# Altium PCB PCB3.PcbDoc (part 2 of 2)
Units mil, origin at the board's own origin, x right, y up, seen from the top; angles counter-clockwise.
Board outline 6260 x 6725 mil, 2 copper layers (Top Layer, Bottom Layer); 255 components, 118 nets, 1007 pads, 109 vias.
Unrouted connection lines stored in the file: 4.
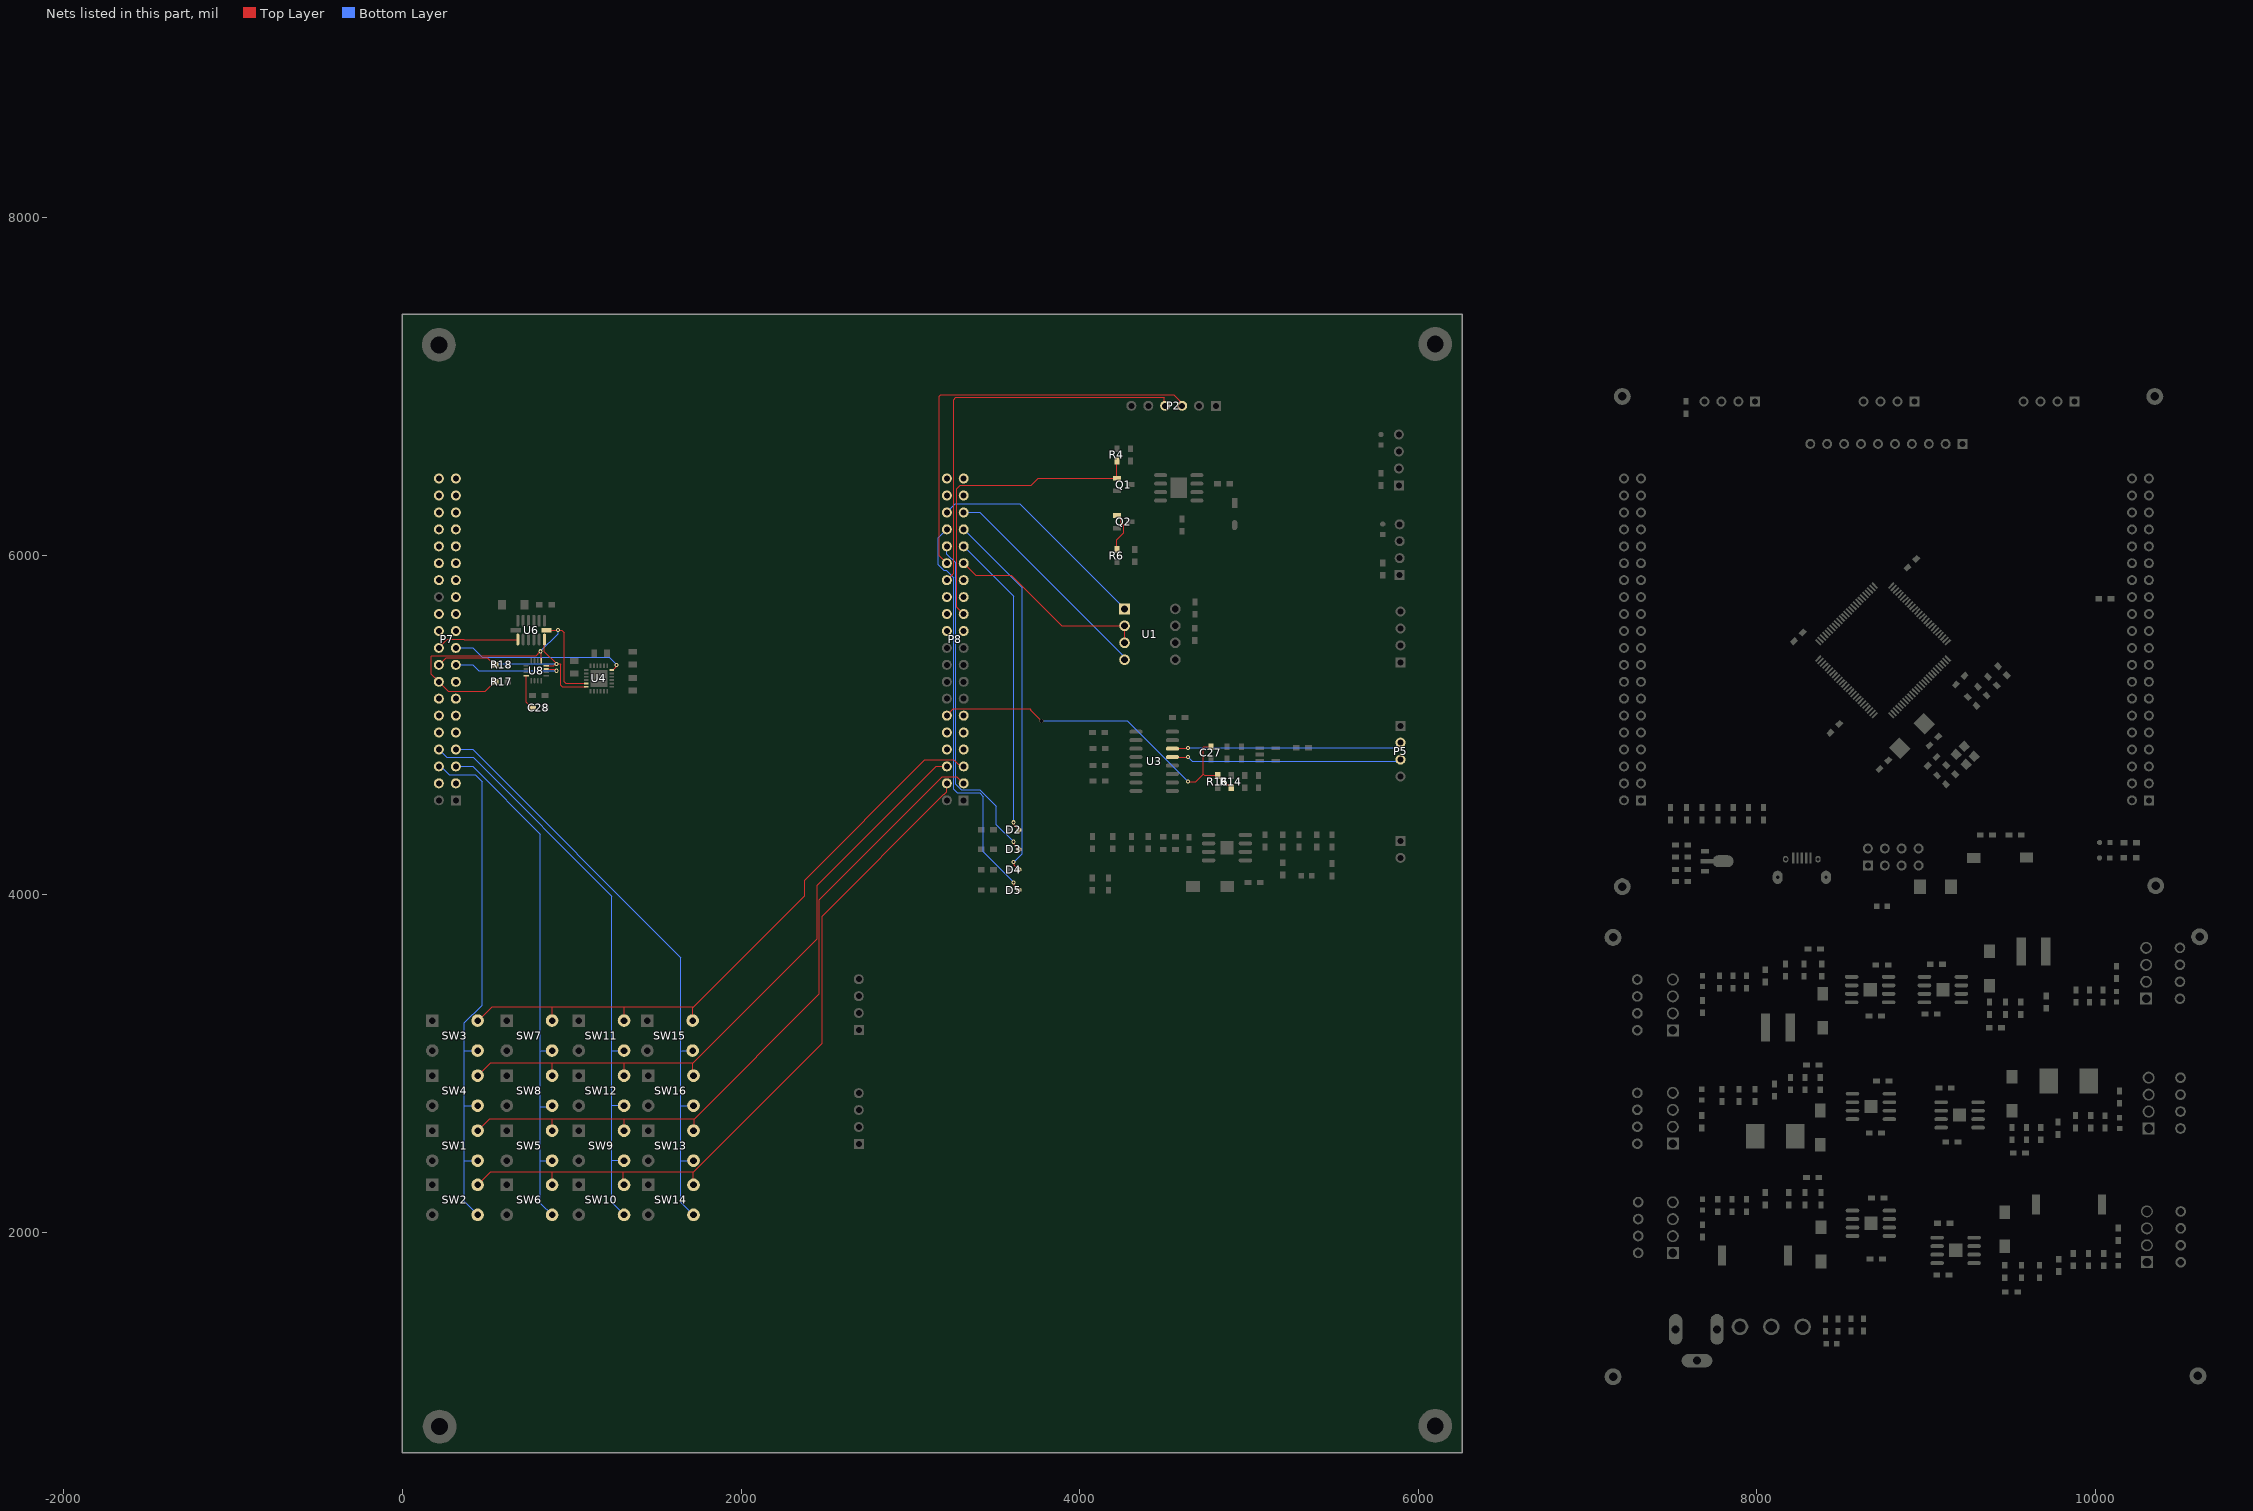
[diagram p2: the nets of this part, all layers, seen from the top]

## Via types
v1: diameter 24, hole 12, Top Layer to Bottom Layer, 71 vias
v2: diameter 24, hole 24, Top Layer to Bottom Layer, 38 vias

## Nets (pads, with @x,y where several pads share a name; then routed paths per layer and width w, separated by ;. In a path a pad name is that pad's centre, name@x,y a point inside that pad or via, vN(x,y) a via of type N, cw(c..) or ccw(c..) an arc to the next point about the centre after c; other vN are vias at no path point) (continued)
PA9/USART1_TX: P7.23
PA10/USART1_RX: P7.24
PA11: P7.21
PA12: P7.22
PA15: P7.28
PB0/TIM3_CH3: P8.23 Q1.1 R4.1 | length 1829.4
  Top Layer w6: P8.23@3315,5655 3275,5695 3275,6395 3295,6415 3713.31,6415 3755.71,6457.4 Q1.1@4220.63,6457.4 4220,6458.03 R4.1@4220,6558.5
PB0/TIM3_CH4: P8.24
PB1/TIM3_CH4: Q2.1 R6.1 | length 240.1
  Top Layer w6: R6.1@4220,6036.5 4220,6094.25 4260,6134.25 4260,6175 4242.24,6192.76 4242.24,6226.62 4231.46,6237.4 Q2.1@4220.63,6237.4
PB2: P8.25
PB3: P7.12
PB4: P7.9
PB5: P7.10
PB6/KEY_Y_0: P7.7 SW13.3 SW14.3 SW15.3 SW16.3 | length 3608.5
  Bottom Layer w6: P7.7@315,4855 415,4855 1645,3625 1645,3071.49 ; SW15.3@1713.86,3076.42 1649.93,3076.42 1645,3071.49 ; SW14.3@1718.86,2106.42 1645,2180.28 1645,2425 ; SW13.3@1718.86,2426.42 1717.44,2425 1645,2425 ; SW16.3@1718.86,2751.42 1717.44,2750 1645,2750 ; 1645,2425 1645,2750 ; 1645,2750 1645,3071.49
PB7/KEY_Y_1: P7.8 SW9.3 SW10.3 SW11.3 SW12.3 | length 3518.8
  Bottom Layer w6: P7.8@215,4855 262.1,4807.9 416.58,4807.9 1235,3989.49 1235,3071.49 ; SW10.3@1308.86,2106.42 1235,2180.28 1235,2430 ; SW9.3@1308.86,2426.42 1305.28,2430 1235,2430 ; SW12.3@1308.86,2751.42 1305.28,2755 1235,2755 ; SW11.3@1308.86,3076.42 1239.93,3076.42 1235,3071.49 ; 1235,2430 1235,2755 ; 1235,2755 1235,3071.49
PB8/KEY_Y_2: P7.5 SW5.3 SW6.3 SW7.3 SW8.3 | length 3154.7
  Bottom Layer w6: P7.5@315,4755 415,4755 815,4355 815,3071.49 ; SW6.3@883.86,2106.42 815,2175.28 815,2425 ; SW5.3@883.86,2426.42 882.44,2425 815,2425 ; SW8.3@883.86,2751.42 877.44,2745 815,2745 ; SW7.3@883.86,3076.42 819.93,3076.42 815,3071.49 ; 815,2425 815,2745 ; 815,2745 815,3071.49
PB9/KEY_Y_3: P7.6 SW1.3 SW2.3 SW3.3 SW4.3 | length 3166.2
  Bottom Layer w6: P7.6@215,4755 225,4755 275,4705 430,4705 470,4665 470,3345.35 365,3240.35 365,3072.9 ; SW2.3@443.86,2106.42 365,2185.28 365,2425 ; SW1.3@443.86,2426.42 442.44,2425 365,2425 ; SW4.3@443.86,2751.42 442.44,2750 365,2750 ; SW3.3@443.86,3076.42 368.51,3076.42 365,3072.9 ; 365,2425 365,2750 ; 365,2750 365,3072.9
PB10/USART3_TX: P8.35 U1.4 | length 1319.2
  Bottom Layer w6: P8.35@3315,6255 3410,6255 4265,5400 U1.4@4265,5385
PB11/USART3_RX: P8.36 U1.1 | length 1327.5
  Bottom Layer w6: P8.36@3215,6255 3265,6305 3645,6305 U1.1@4265,5685
PB12: P8.37
PB13: P8.38
PB14: P8.39
PB15: P8.40
PC0: P8.9
PC1: P8.10
PC2: P8.11
PC3/ADC123: C27.2 P8.12 R14.1 R16.2 | length 2138.3
  Top Layer w6: P8.12@3215,5055 3254.36,5094.36 3707.13,5094.36 3710,5091.49 3710,5087.43 v2(3773.47,5023.95) ; v1(4640,4665) 4685,4665 4730,4710 ; C27.2@4775,4871.5 4733.51,4871.5 4730,4867.99 4730,4710 ; R14.1@4895,4628.5 4895,4632.75 4882.25,4645.5 4871,4645.5 4832,4684.5 4827.75,4684.5 4815,4697.25 R16.2@4815,4701.5 4738.5,4701.5 4730,4710
  Bottom Layer w6: v2(3773.47,5023.95) 4281.05,5023.95 v1(4640,4665)
PC4: P8.21
PC5: P8.22
PC6: P7.31
PC7: P7.32
PC8: P7.29
PC9: P7.30
PC10: P7.27
PC11/G_INT: P7.19 U4.12 | length 1039
  Top Layer w6: U4.12@1235.1,5324.21 1242.68,5324.21 1261.56,5343.09 1261.56,5351.56 v1(1265,5355)
  Bottom Layer w6: P7.19@315,5455 415,5455 470,5400 1220,5400 v1(1265,5355)
PC12: P7.25
PC13: P8.8
PD0/A_INT: P7.20 U6.8 | length 488.2
  Top Layer w6: P7.20@215,5455 265,5505 365,5505 364.51,5504.51 U6.8@681.26,5504.51
PD1/M_INT: P7.17 U8.15 | length 674.5
  Top Layer w6: U8.15@849.05,5329.85 895.28,5329.85 905.13,5320 v1(910,5320)
  Bottom Layer w6: P7.17@315,5355 415,5355 450,5320 v1(910,5320)
PD2/MPU_SDA: P7.18 R18.1 U4.24 U6.13 U8.16 | length 1273
  Top Layer w6: P7.18@215,5355 258,5398 501.25,5398 544.25,5355 R18.1@548.5,5355 ; U6.13@838.74,5504.51 838.74,5431.26 v1(910,5360) ; U8.16@849.05,5349.53 894.66,5349.53 905.13,5360 v1(910,5360) ; U4.24@1084.9,5225.79 942.73,5225.79 935,5233.51 935,5356.49 931.49,5360 v1(910,5360)
  Bottom Layer w6: v1(550,5355) 555,5360 v1(910,5360)
PD3: P7.15
PD4/MPU_SCL: P7.16 R17.1 U4.23 U6.14 U8.1 | length 1965
  Top Layer w6: R17.1@548.5,5255 544.25,5255 489.25,5200 270,5200 170,5300 170,5406.49 173.51,5410 790,5410 v1(815,5435) ; U8.1@819.53,5379.06 v1@819.53,5435 ; U6.14@850.45,5560 940,5560 955,5545 955,5255 964.53,5245.47 U4.23@1084.9,5245.47
  Bottom Layer w6: v1(815,5435) 919,5539 919,5559 v1(919.5,5559.5) v1@920,5560
PD5: P7.13
PD6: P7.14
PD7: P7.11
PD8/TFT_SCL: P7.39
PD9/TFT_SDA: P7.40
PD10/TFT_RES: P7.37
PD11/TFT_DC: P7.38
PD12/TFT_CS: P7.35
PD13/TFT_BL: P7.36
PD14/TFT_FS0: P7.33
PD15/TFT_CS2: P7.34
PE0: P7.3
PE1: P7.4
PE2/KEY_X_0: P8.3 SW1.4 SW5.4 SW9.4 SW13.4 | length 4298
  Top Layer w6: SW1.4@443.86,2603.58 515.28,2675 885,2675 ; SW5.4@883.86,2603.58 885,2604.72 885,2675 ; SW9.4@1308.86,2603.58 1310,2604.72 1310,2675 885,2675 ; 1310,2674.05 1718.46,2674.05 1718.62,2673.97 1721.9,2673.97 1721.9,2670.77 ; SW13.4@1718.86,2603.58 1721.9,2606.63 1721.9,2670.77 ; P8.3@3315,4655 3275,4695 3188.2,4695 2462.01,3968.81 2462.01,3410.88 1721.9,2670.77
PE3/KEY_X_1: P8.4 SW2.4 SW6.4 SW10.4 SW14.4 | length 4456.3
  Top Layer w6: SW2.4@443.86,2283.58 520.28,2360 885,2360 ; SW6.4@883.86,2283.58 885,2284.72 885,2360 ; SW10.4@1308.86,2283.58 1305,2287.44 1305,2360 ; SW14.4@1718.86,2283.58 1718.06,2284.38 1718.06,2356.8 ; P8.4@3215,4655 3215,4606.28 3198.56,4589.84 ccw(c3215,4555) 3180.16,4571.44 2480,3871.28 2480,3118.73 1718.06,2356.8 ; 885,2360 1305,2360 ; 1305,2360 1718.06,2360 1718.06,2356.8
PE4/KEY_X_2: P8.5 SW3.4 SW7.4 SW11.4 SW15.4 | length 3824.8
  Top Layer w6: SW3.4@443.86,3253.58 448.58,3253.58 530,3335 885,3335 ; SW7.4@883.86,3253.58 885,3254.72 885,3335 ; SW11.4@1308.86,3253.58 1310,3254.72 1310,3335 ; SW15.4@1713.86,3253.58 1713.86,3330.66 ; 1713.86,3333.86 1713.86,3330.66 ; 1713.86,3335 1310,3335 ; P8.5@3315,4755 3304.85,4765.15 3284.85,4765.15 3256.47,4793.53 3084.59,4793.53 2375,4083.94 2375,3991.8 1713.86,3330.66 ; 885,3335 1310,3335
PE5/KEY_X_3: P8.6 SW4.4 SW8.4 SW12.4 SW16.4 | length 3946.4
  Top Layer w6: SW4.4@443.86,2928.58 520.28,3005 885,3005 ; SW8.4@883.86,2928.58 885,2929.72 885,3005 ; SW12.4@1308.86,2928.58 1310,2929.72 1310,3005 ; SW16.4@1718.86,2928.58 1714.61,2932.83 1714.61,3001.41 ; P8.6@3215,4755 3151.97,4755 2450.01,4053.04 2450.01,3736.81 1714.61,3001.41 ; 885,3005 1310,3005 ; 1310,3005 1714.61,3005 1714.61,3004.61 1714.61,3001.41
PE6: P8.7
PE7: P8.26
PE8: P8.27
PE9/TIM1_CH1: P2.4 P8.28 | length 2383.7
  Top Layer w6: P8.28@3215,5855 3255,5895 3255,6921.49 3268.51,6935 4496.49,6935 4500,6931.49 4500,6890 P2.4@4505,6885
PE10: P8.29 U1.2 U1.3 | length 1203.3
  Top Layer w6: P8.29@3315,5955 3385,5885 3595,5885 3895,5585 U1.2@4265,5585 U1.3@4265,5485
PE11/TIM1_CH2: P2.3 P8.30 | length 2478.5
  Top Layer w6: P8.30@3215,5955 3170,6000 3170,6940 3180,6950 4555,6950 4591.26,6913.74 4591.26,6913.1 4605,6899.36 P2.3@4605,6885
PE12/LED0: D2.2 P8.31 | length 1809.9
  Top Layer w6: v1(3610,4425) 3613.44,4421.56 3613.44,4407.14 D2.2@3640.59,4380
  Bottom Layer w6: P8.31@3315,6055 3610,5760 v1(3610,4425)
PE13/LED1: D3.2 P8.32 | length 2031.6
  Top Layer w6: v1(3610,4310) 3613.44,4306.56 3613.44,4292.14 D3.2@3640.59,4265
  Bottom Layer w6: P8.32@3215,6055 3215,6009.49 3267,5957.49 3267,4648.51 3299.04,4616.47 3410.5,4616.47 3508.53,4518.44 3508.53,4411.47 v1(3610,4310)
PE14/LED2: D4.2 P8.33 | length 2186.3
  Top Layer w6: v1(3610,4190) 3613.44,4186.56 3613.44,4172.14 D4.2@3640.59,4145
  Bottom Layer w6: P8.33@3315,6155 3660,5810 3660,4240 v1(3610,4190)
PE15/LED3: D5.2 P8.34 | length 2433
  Top Layer w6: v1(3610,4070) 3613.44,4066.56 3613.44,4051.56 D5.2@3640,4025
  Bottom Layer w6: P8.34@3215,6155 3165,6105 3165,5945 3197.76,5912.24 3212.24,5912.24 3255,5869.49 3255,4620 3276.76,4598.24 3408.24,4598.24 3430,4576.49 3430,4250 v1(3610,4070)
RX: P5.3 U3.13 | length 1361.8
  Top Layer w6: U3.13@4547.7,4810 v1(4640,4810)
  Bottom Layer w6: v1(4640,4810) 4665,4785 5885,4785 P5.3@5895,4795
SETP: C28.2 U8.8 | length 209
  Top Layer w6: U8.8@730.95,5290.48 730.95,5132.56 763.5,5100 C28.2@768.5,5100
TX: P5.2 U3.14 | length 1361.8
  Top Layer w6: U3.14@4547.7,4860 4550.2,4862.5 4637.5,4862.5 v1(4640,4865)
  Bottom Layer w6: v1(4640,4865) 5863.63,4865 5893.63,4895 P5.2@5895,4895
pads on no net: C1_1.1 C1_1.2 C1_2.1 C1_2.2 C2_1.1 C2_1.2 C2_2.1 C2_2.2 C3_1.1 C3_1.2 C3_2.1 C3_2.2 C4_1.1 C4_1.2 C4_2.1 C4_2.2 C5_1.1 C5_1.2 C5_2.1 C5_2.2 C6_1.1 C6_1.2 C6_2.1 C6_2.2 C7_1.1 C7_1.2 C7_2.1 C7_2.2 C8_1.1 C8_1.2 C8_2.1 C8_2.2 C9_1.1 C9_1.2 C9_2.1 C9_2.2 C10_1.1 C10_1.2 C10_2.1 C10_2.2 C11_1.1 C11_1.2 C11_2.1 C11_2.2 C12_1.1 C12_1.2 C12_2.1 C12_2.2 C13_1.1 C13_1.2 C13_2.1 C13_2.2 C14_1.1 C14_1.2 C14_2.1 C14_2.2 C15_1.1 C15_1.2 C15_2.1 C15_2.2 C16_1.1 C16_1.2 C16_2.1 C16_2.2 C17_1.1 C17_1.2 C17_2.1 C17_2.2 C18_1.1 C18_1.2 C18_2.1 C18_2.2 C19_1.1 C19_1.2 C19_2.1 C19_2.2 C20_1.1 C20_1.2 C20_2.1 C20_2.2 C21_1.1 C21_1.2 C21_2.1 C21_2.2 C22_1.1 C22_1.2 C22_2.1 C22_2.2 C23_1.1 C23_1.2 C24_1.1 C24_1.2 C25_1.1 C25_1.2 C26_1.1 C26_1.2 C27_1.1 C27_1.2 C28_1.1 C28_1.2 C29_1.1 C29_1.2 C30.1 C30.2 C31.1 C31.2 C32.1 C32.2 C33.1 C33.2 C34.1 C34.2 C35.1 C35.2 C36.1 C36.2 C37.1 C37.2 C38.1 C38.2 C39.1 C39.2 C40.1 C40.2 C41.1 C41.2 C42.1 C42.2 C43.1 C43.2 C44.1 C44.2 C45.1 C45.2 CN1.1 CN1.2 CN1.3 CN1.4 CN2.1 CN2.2 CN2.3 CN2.4 CN3.1 CN3.2 CN3.3 CN3.4 CN4.1 CN4.2 CN4.3 CN4.4 CN5.1 CN5.2 CN5.3 CN5.4 CN6.1 CN6.2 CN6.3 CN6.4 D1_1.1 D1_1.2 D2_1.1 D2_1.2 D3_1.1 D3_1.2 D4_1.1 D4_1.2 D5_1.1 D5_1.2 D6_1.1 D6_1.2 DC1.1 DC1.2 DC1.3 H1.1 H1.2 H1.3 H1.4 H2.1 H2.2 H2.3 H2.4 H3.1 H3.2 H3.3 H3.4 H4.1 H4.2 H4.3 H4.4 H5.1 H5.2 H5.3 H5.4 H6.1 H6.2 H6.3 H6.4 L1_1.1 L1_1.2 L2.1 L2.2 L3.1 L3.2 L4.1 L4.2 L5.1 L5.2 L6.1 L6.2 LED1_1.1 LED1_1.2 LED1_2.1 LED1_2.2 LED2_1.1 LED2_1.2 LED2_2.1 LED2_2.2 LED3.1 LED3.2 LED4.1 LED4.2 LED5.1 LED5.2 LED6.1 LED6.2 LED7.1 LED7.2 P1_1.1 P1_1.2 P1_1.3 P1_1.4 P1_1.5 P1_1.6 P1_1.7 P1_1.8 P2_1.1 P2_1.2 P2_1.3 P2_1.4 P2_1.5 P2_1.6 P2_1.7 P2_1.8 P2_1.9 P2_1.10 P2_1.11 P2_1.12 P2_1.13 P2_1.14 P2_1.15 P2_1.16 P2_1.17 P2_1.18 P2_1.19 P2_1.20 P2_1.21 P2_1.22 P2_1.23 P2_1.24 P2_1.25 P2_1.26 P2_1.27 P2_1.28 P2_1.29 P2_1.30 P2_1.31 P2_1.32 P2_1.33 P2_1.34 P2_1.35 P2_1.36 P2_1.37 P2_1.38 P2_1.39 P2_1.40 P3_1.1 P3_1.2 P3_1.3 P3_1.4 P3_1.5 P3_1.6 P3_1.7 P3_1.8 P3_1.9 P3_1.10 P3_1.11 P3_1.12 P3_1.13 P3_1.14 P3_1.15 P3_1.16 P3_1.17 P3_1.18 P3_1.19 P3_1.20 P3_1.21 P3_1.22 P3_1.23 P3_1.24 P3_1.25 P3_1.26 P3_1.27 P3_1.28 P3_1.29 P3_1.30 P3_1.31 P3_1.32 P3_1.33 P3_1.34 P3_1.35 P3_1.36 P3_1.37 P3_1.38 P3_1.39 P3_1.40 P4_1.1 P4_1.2 P4_1.3 P4_1.4 P4_1.5 P4_1.6 P4_1.7 P4_1.8 P4_1.9 P4_1.10 P5_1.1 P5_1.2 P5_1.3 P5_1.4 P6_1.1 P6_1.2 P6_1.3 P6_1.4 P7_1.1 P7_1.2 P7_1.3 P7_1.4 R1_1.1 R1_1.2 R1_2.1 R1_2.2 R2_1.1 R2_1.2 R2_2.1 R2_2.2 R3_1.1 R3_1.2 R3_2.1 R3_2.2 R4_1.1 R4_1.2 R4_2.1 R4_2.2 R5_1.1 R5_1.2 R5_2.1 R5_2.2 R6_1.1 R6_1.2 R6_2.1 R6_2.2 R7_1.1 R7_1.2 R7_2.1 R7_2.2 R8_1.1 R8_1.2 R8_2.1 R8_2.2 R9_1.1 R9_1.2 R10_1.1 R10_1.2 R11_1.1 R11_1.2 R12_1.1 R12_1.2 R13_1.1 R13_1.2 R14_1.1 R14_1.2 R15_1.1 R15_1.2 R16_1.1 R16_1.2 R17_1.1 R17_1.2 R18_1.1 R18_1.2 R19_1.1 R19_1.2 R20_1.1 R20_1.2 R21_1.1 R21_1.2 R22_1.1 R22_1.2 R23_1.1 R23_1.2 R24_1.1 R24_1.2 R25.1 R25.2 SW1.1 SW1.2 SW1_1.1 SW1_1.2 SW1_1.3 SW1_2.1 SW1_2.2 SW2.1 SW2.2 SW3.1 SW3.2 SW4.1 SW4.2 SW5.1 SW5.2 SW6.1 SW6.2 SW7.1 SW7.2 SW8.1 SW8.2 SW9.1 SW9.2 SW10.1 SW10.2 SW11.1 SW11.2 SW12.1 SW12.2 SW13.1 SW13.2 SW14.1 SW14.2 SW15.1 SW15.2 SW16.1 SW16.2 U1_1.1 U1_1.2 U1_1.3 U1_1.4 U1_1.5 U1_1.6 U1_1.7 U1_1.8 U1_1.9 U1_2.1 U1_2.2 U1_2.3 U1_2.4 U1_2.5 U1_2.6 U1_2.7 U1_2.8 U1_2.9 U1_2.10 U1_2.11 U1_2.12 U1_2.13 U1_2.14 U1_2.15 U1_2.16 U1_2.17 U1_2.18 U1_2.19 U1_2.20 U1_2.21 U1_2.22 U1_2.23 U1_2.24 U1_2.25 U1_2.26 U1_2.27 U1_2.28 U1_2.29 U1_2.30 U1_2.31 U1_2.32 U1_2.33 U1_2.34 U1_2.35 U1_2.36 U1_2.37 U1_2.38 U1_2.39 U1_2.40 U1_2.41 U1_2.42 U1_2.43 U1_2.44 U1_2.45 U1_2.46 U1_2.47 U1_2.48 U1_2.49 U1_2.50 U1_2.51 U1_2.52 U1_2.53 U1_2.54 U1_2.55 U1_2.56 U1_2.57 U1_2.58 U1_2.59 U1_2.60 U1_2.61 U1_2.62 U1_2.63 U1_2.64 U1_2.65 U1_2.66 U1_2.67 U1_2.68 U1_2.69 U1_2.70 U1_2.71 U1_2.72 U1_2.73 U1_2.74 U1_2.75 U1_2.76 U1_2.77 U1_2.78 U1_2.79 U1_2.80 U1_2.81 U1_2.82 U1_2.83 U1_2.84 U1_2.85 U1_2.86 U1_2.87 U1_2.88 U1_2.89 U1_2.90 U1_2.91 U1_2.92 U1_2.93 U1_2.94 U1_2.95 U1_2.96 U1_2.97 U1_2.98 U1_2.99 U1_2.100 U2.4 U2_1.1 U2_1.2 U2_1.3 U2_1.4 U2_1.5 U2_1.6 U2_1.7 U2_1.8 U2_1.9 U3.7 U3.8 U3.9 U3.10 U3_1.1 U3_1.2 U3_1.3 U3_1.4 U3_1.5 U3_1.6 U3_1.7 U3_1.8 U3_1.9 U4.2 U4.3 U4.4 U4.5 U4.6 U4.7 U4.9 U4.14 U4.15 U4.16 U4.17 U4.19 U4.21 U4.22 U4.25 U4_1.1 U4_1.2 U4_1.3 U4_1.4 U4_1.5 U4_1.6 U4_1.7 U4_1.8 U4_1.9 U5_1.1 U5_1.2 U5_1.3 U5_1.4 U5_1.5 U5_1.6 U5_1.7 U5_1.8 U5_1.9 U6.3 U6.9 U6.10 U6.11 U6_1.1 U6_1.2 U6_1.3 U6_1.4 U6_1.5 U6_1.6 U6_1.7 U6_1.8 U6_1.9 U8.3 U8.5 U8.6 U8.7 U8.14 USB1.1 USB1.2 USB1.3 USB1.4 USB1.5 V1.1 V1.2 V1.3 X1.1 X1.2 X1.3 X1.4 X2.1 X2.2
copper on no net: | length 201115.8
  Top Layer w6: 7215,4555 7253.53,4593.53 7606.47,4593.53 v2(7630,4570) ; 7215,4655 7253.53,4616.47 8199.86,4616.47 8668.44,5085.06 ; 7215,4755 7253.53,4716.47 8248.44,4716.47 8532.95,5000.98 8532.95,5005.24 8640.6,5112.89 ; 7215,4855 7260,4810 8254.2,4810 8598.85,5154.65 ; 7215,4955 7270,4900 8288.52,4900 8571.01,5182.49 ; 7215,5055 7258.68,5011.32 7260,5010 8342.84,5010 8543.17,5210.33 ; 7215,5255 7217.51,5255 7220,5255 7265,5210 7271.34,5203.66 7275,5200 8421.48,5200 8487.49,5266.01 ; 7215,5355 7258.63,5311.37 7313.12,5311.37 7400.49,5224 8385.7,5224 8455.54,5293.85 8459.65,5293.85 ; 7215,5455 7257.58,5412.42 7340.61,5412.42 7503.03,5250 8360.13,5250 8431.81,5321.69 ; 7215,5555 7253.53,5516.47 7756.47,5516.47 7855,5615 8343.18,5615 8413.78,5544.4 8417.89,5544.4 ; 7215,5655 7270,5600 7801.72,5600 7840.72,5639 8378.97,5639 8445.73,5572.23 8480,5537.97 v2(8480,5515) ; 7215,5755 7265,5705 8368.64,5705 8473.57,5600.07 ; 7215,5955 7276.47,5893.53 8207.95,5893.53 8487.49,5613.99 ; 7215,6055 7276.47,5993.53 8163.63,5993.53 8515.33,5641.83 ; 7231.06,5138.94 7215,5155 7265,5105 8382.16,5105 8515.33,5238.17 ; 7293.51,2526.5 7293.51,2626.5 7503.51,2626.5 ; 7293.51,3296.5 7295,3295.01 7295,3197.99 7293.51,3196.5 7298.51,3196.5 7503.51,3196.5 7503.51,3296.5 7675.01,3296.5 7678.51,3300 7680.22,3298.29 7774.99,3298.29 7778.51,3301.8 7778.51,3445 7858.51,3445 7938.51,3445 8044.99,3445 8048.51,3448.51 8048.51,3481.5 8050.67,3479.34 8050.67,3211.49 ; 7298.51,1981.5 7298.51,1881.5 7502.72,1881.5 7503.51,1880.71 ; 7315,4655 8210.55,4655 8654.52,5098.97 ; 7315,4755 8270,4755 8520.09,5005.09 8520.09,5012.86 8523.51,5016.28 8523.51,5023.63 8626.69,5126.81 ; 7315,4855 8271.36,4855 8584.93,5168.57 ; 7315,4955 8315.68,4955 8557.09,5196.41 ; 7315,5055 8359.01,5055 8361.76,5056.76 8529.25,5224.25 ; 7315,5155 8404.32,5155 8501.41,5252.09 ; 7315,5255 7358,5212 8405.64,5212 8473.57,5279.93 ; 7315,5355 7434,5236 8369.86,5236 8441.62,5307.77 8445.73,5307.77 ; 7315,5455 7455,5315 8369.45,5315 8403.97,5349.52 ; 7315,5555 7775,5555 7847,5627 8363.13,5627 8431.81,5558.31 ; 7315,5655 8390.8,5655 8459.65,5586.15 8502.36,5543.44 8511.56,5543.44 v2(8515,5540) ; 7315,5955 8174.32,5955 8501.41,5627.91 ; 7315,6055 8130,6055 8529.25,5655.75 ; 7315,6155 8085.68,6155 8557.09,5683.59 8596.56,5644.12 8596.56,5628.44 v2(8600,5625) ; 7315,6255 8041.36,6255 8584.93,5711.43 8584.93,5708.25 8635,5658.18 v2(8635,5655) ; 7315,6355 7997.03,6355 8612.77,5739.27 8612.77,5738.25 8665,5686.02 v2(8665,5685) ; 7315,6455 7952.71,6455 8640.6,5767.11 8644.25,5767.11 8691.36,5720 v2(8695,5720) ; 7503.51,1980.71 7503.51,1880.71 ; 7532.8,2555.79 7503.51,2526.5 7503.51,2626.5 ; 7673.51,2693 7673.65,2693.14 7673.65,2785.02 ; 7678.51,2048 7678.51,2134.89 7678.65,2135.02 ; 7678.51,3373 7678.51,3454.89 7678.65,3455.02 ; 7764.08,1430 7779.08,1445 7899.96,1445 ; 7793.63,1866.5 7703.51,1866.5 7678.51,1891.5 7678.51,1975 ; 7990.4,2571.5 7722.01,2571.5 7690.51,2603 7686.26,2603 7673.51,2615.75 7673.51,2620 ; 8040,4438.5 8077.57,4438.5 8492.03,4852.97 ; 8048.51,2165 8050.4,2163.1 8050.4,2124.65 8050.05,2125 7938.51,2125 7853.51,2125 7768.51,2125 7730.01,2125 7718.51,2113.5 7718.51,1978.51 7714.99,1975 7678.51,1975 ; 8048.51,2238 8188.51,2238 8188.51,2352.99 8198.02,2362.5 8494.48,2362.5 8504.49,2352.49 8504.49,2135.51 8508.51,2131.5 8564.49,2131.5 ; 8048.51,3554.5 8048.51,3587.99 8052.02,3591.5 8165.01,3591.5 8168.51,3588 8168.51,3701.5 8183.51,3716.5 8493.51,3716.5 8503.51,3706.5 8503.51,3515.01 8507.02,3511.5 8559.49,3511.5 ; 8103.51,2806.5 8103.51,2802.25 8076.26,2775 7988.51,2775 7893.51,2775 7793.51,2775 7793.51,2744.25 7673.51,2624.25 7673.51,2620 ; 8103.51,2879.5 8103.51,2914.49 8107.02,2918 8198.51,2918 8198.51,3036.5 8203.51,3041.5 8424.99,3041.5 8428.51,3037.99 8428.51,2846.5 8453.51,2821.5 8564.49,2821.5 ; 8183.39,1866.5 8183.39,1851.12 8204.01,1830.49 8378.51,1830.49 8559.99,1830.49 8563.51,1834.01 8563.51,1845 ; 8196.34,3211.49 8387.51,3211.49 8388.51,3210.49 8554.99,3210.49 8558.51,3214.01 8558.51,3285.01 ; 8219.19,5494.19 8236.16,5494.19 8254.03,5512.06 8300.46,5512.06 8306.99,5518.6 8356.07,5518.6 8372.03,5502.64 8376.13,5502.64 8743.34,5135.43 8746.66,5135.43 ; 8226.62,2571.5 8277.62,2520.49 8373.51,2520.49 8489.47,2520.49 8567.98,2599 ; v2(8260,5375) 8262.5,5375 8276.1,5361.4 8356.07,5361.4 8372.03,5377.36 8376.13,5377.36 ; 8270.81,5545.81 8274.34,5549.34 8357.27,5549.34 8390.06,5516.56 ; 8278.51,3588 8278.51,3653 8285.01,3659.5 8285.01,3664.5 8297.01,3676.5 8302.01,3676.5 8303.51,3678 8303.51,3697.99 8307.02,3701.5 8483.51,3701.5 8491.51,3693.5 8491.51,3467.01 8497.02,3461.5 8559.49,3461.5 ; 8283.51,2238 8283.51,2318 8292.01,2326.5 8293.51,2328 8293.51,2342.99 8301.02,2350.5 8488.98,2350.5 8492.49,2346.99 8492.49,2086.03 8497.02,2081.5 8564.49,2081.5 ; 8285.01,2918 8285.01,2983 8293.51,2991.5 8293.51,3022.99 8297.02,3026.5 8408.51,3026.5 8416.51,3018.5 8416.51,2798.5 8443.51,2771.5 8564.49,2771.5 ; v2(8290,5340) 8362.5,5340 8385.95,5363.44 8390.06,5363.44 ; v2(8290,5410) 8314.33,5410 8345.58,5378.75 8349.69,5378.75 8362.22,5391.28 ; 8315,6660 7331.57,6660 7152.47,6480.9 7152.47,6217.53 7215,6155 7276.47,6093.53 8119.31,6093.53 8543.17,5669.67 ; v2(8335,5585) 8338.44,5581.56 8352.89,5581.56 8403.97,5530.48 ; v2(8355,5290) 8358.44,5293.44 8375.73,5293.44 8417.89,5335.6 ; 8362.22,5488.72 8406.56,5444.38 8406.56,5433.44 v2(8410,5430) ; 8365.01,2326.5 8366.51,2326.5 8378.51,2314.5 8378.51,2238 ; 8366.51,2991.5 8366.51,2925 8373.51,2918 ; 8375.01,3676.5 8383.51,3668 8383.51,3588 ; v2(8375,4900) 8429.19,4954.19 8434.19,4954.19 ; 8405,1418.5 8405,1348.38 8406.76,1346.62 ; 8515,6660 8465,6610 7298.54,6610 7164.47,6475.93 7164.47,6351.04 7215,6300.51 7215,6255 7276.47,6193.53 8074.99,6193.53 8571.01,5697.51 ; 8559.49,3361.5 8558.51,3360.52 8558.51,3285.01 ; 8564.49,1981.5 8563.51,1980.52 8563.51,1845 ; 8564.49,2671.5 8567.98,2668.01 8567.98,2599 ; 8598.85,5725.35 8030.67,6293.53 7276.47,6293.53 7215,6355 7176.47,6393.53 7176.47,6470.96 7265.92,6560.4 8615.4,6560.4 8715,6660 ; 8626.69,5753.19 7974.35,6405.53 7264.47,6405.53 7215,6455 7215.01,6490.01 7273.4,6548.4 8803.4,6548.4 8915,6660 ; 8654.52,5781.03 8585,5850.55 8585,6261.97 8778.03,6455 10215,6455 ; 8662.01,3281.5 8562.02,3281.5 8558.51,3285.01 ; 8663.5,2590 8576.98,2590 8567.98,2599 ; 8668.44,5794.95 8605,5858.39 8605,6230 8780,6405 10196.33,6405 10265,6405 10315,6455 ; 8668.5,1845 8563.51,1845 ; 8682.36,5071.13 8746.66,5135.43 ; 8682.36,5808.87 8625,5866.23 8625,6205 8775,6355 10215,6355 ; 8696.28,5822.78 8640,5879.07 8640,5990 8943.53,6293.53 10253.53,6293.53 10315,6355 ; 8735.01,3281.5 8740.01,3281.5 8752.01,3293.5 8752.01,3298.5 8777.52,3324.02 8777.52,3361.5 ; 8736.5,2590 8741.5,2590 8772.52,2621.02 8772.52,2671.5 ; 8742.52,1846.02 8741.5,1845 8746.5,1845 8758.5,1857 8758.5,1862 8782.52,1886.02 8782.52,1981.5 ; 8750.01,2206.5 8778.51,2206.5 8782.52,2202.48 8782.52,2131.5 ; v2(8760,4920) 8760,4994.33 8806.25,5040.58 8806.25,5044.69 8793.72,5057.22 ; 8775.01,3581.5 8777.52,3578.98 8777.52,3511.5 ; 8775.81,4790.81 8775.81,4795.81 8842.62,4862.62 8839.84,4865.4 8839.84,4939.84 8920,5020 8920,5125 8891.15,5153.85 8891.15,5154.65 ; 8780.01,2896.5 8782.52,2893.98 8782.52,2821.5 ; v2(8780,5135) 8776.56,5131.56 8770.62,5131.56 8696.28,5057.22 8492.03,4852.97 ; v2(8790,4945) 8790,5005 8829.4,5044.4 8829.4,5049.37 8807.64,5071.13 ; 8793.72,5822.78 8793.72,5820.84 8774.27,5801.39 8774.27,5760.43 8760,5746.15 v2(8760,5745) 8763.44,5741.56 8773.44,5741.56 v2(9045,5470) 9048.44,5473.44 9056.83,5473.44 9099.94,5516.56 ; 8807.64,5808.87 8848.67,5849.9 8848.67,5888.67 8889.19,5929.19 ; v2(8820,4975) 8820,5009.79 8841.4,5031.19 8841.4,5061.1 8821.56,5080.95 8821.56,5085.06 ; 8821.56,5794.94 9281.61,6255 10215,6255 ; 8835.48,5098.97 8835.48,5094.86 8853.4,5076.94 8853.4,5003.4 v2(8850,5000) ; 8835.48,5781.03 9247.98,6193.53 10253.53,6193.53 10315,6255 ; 8849.4,5112.89 8849.4,5111.08 8874,5086.48 8874,5031 v2(8875,5030) ; 8849.4,5767.11 9237.29,6155 10215,6155 ; 8863.31,5753.19 9203.65,6093.53 10253.53,6093.53 10315,6155 ; 8877.23,5140.73 8899,5118.97 v2(8899,5055) ; 8877.23,5739.27 9192.97,6055 10215,6055 ; 8891.15,5725.35 9159.33,5993.53 10253.53,5993.53 10315,6055 ; 8905.07,5711.43 9148.64,5955 10215,5955 ; 8918.99,5697.51 9126.48,5905 10265,5905 10315,5955 ; 8932.91,5200.52 8932.91,5196.41 8898.44,5230.88 8898.44,5241.56 v2(8895,5245) v2(8985,5335) 9017.03,5335 9285.03,5067 9342,5067 9545.01,5270.01 9545.01,5274.99 9477.2,5342.8 9427.2,5342.8 9424.19,5345.81 ; 8932.91,5683.59 9084.32,5835 10185.48,5835 10205.48,5855 10215,5855 ; 8946.83,5210.33 9223.04,4934.12 9223.04,4874.28 ; 8946.83,5669.67 9092.16,5815 10275,5815 10315,5855 ; 8960.75,5224.25 9271.5,4913.5 9271.5,4854.99 9282.89,4843.6 9282.89,4814.43 9284.28,4813.04 9284.28,4766.91 9240.69,4723.31 9208.97,4723.31 9191.84,4706.18 9173.82,4706.18 9170.81,4709.19 9115.81,4654.19 9115.81,4649.19 ; 8960.75,5655.75 9095,5790 10180,5790 10215,5755 ; v2(8970,5145) 8966.56,5148.44 8953.04,5148.44 8918.99,5182.49 8917.51,5182.49 8855.61,5244.39 ; 8974.67,5238.17 9395,4817.84 9395,4353.5 9391.5,4350 ; 8974.67,5641.83 9075.84,5743 9517,5743 9560,5700 10090,5700 ; 8988.59,5252.09 9324.21,4916.47 10276.47,4916.47 10315,4955 ; 8988.59,5627.91 9091.68,5731 9509,5731 9585,5655 10215,5655 ; 8989.49,3361.5 8989.49,3294.02 8992.01,3291.5 ; 8989.49,3511.5 8989.49,3552.48 9023.51,3586.5 ; 9002.51,5266.01 9313.52,4955 10215,4955 ; 9002.51,5613.99 9107.52,5719 9501,5719 9603.53,5616.47 10276.47,5616.47 10315,5655 ; 9016.43,5279.93 9296.36,5000 10260,5000 10315,5055 ; 9016.43,5600.07 9116.36,5700 9500,5700 9645,5555 10215,5555 ; 9030.35,5293.85 9269.2,5055 10215,5055 ; 9030.35,5586.15 9132.2,5688 9495.03,5688 9688.03,5495 10255,5495 10315,5555 ; 9044.27,5572.23 9148.03,5676 9489,5676 9710,5455 10215,5455 ; 9058.19,5558.31 9163.87,5664 9481,5664 9739.47,5405.53 10265.53,5405.53 10315,5455 ; 9062.01,1751.5 9064.49,1753.98 9064.49,1821.5 ; 9064.49,1971.5 9064.49,2053.98 9067.01,2056.5 ; 9072.11,5335.6 9094.71,5313 9137,5313 9175,5275 9175,5262.42 9178.54,5258.89 9178.54,5241.92 9175,5238.38 9245,5168.38 9245,5165 ; 9072.11,5544.4 9179.71,5652 9473,5652 9770,5355 10215,5355 ; 9075.39,2856.5 9075.39,2779.17 9083.06,2771.5 9087.88,2771.5 ; 9079.51,3586.5 9203.51,3586.5 9207.52,3582.48 ; 9086.03,5349.52 9087.9,5349.52 9112.42,5325 9212.27,5325 9231.27,5344 9348.73,5344 9395.53,5297.2 9472.8,5297.2 9475.81,5294.19 9416.62,5235 9416.62,5233.38 9356.62,5173.38 9296.62,5113.38 ; 9086.03,5530.48 9090.14,5530.48 9199.66,5640 9463.77,5640 9788.77,5315 10275,5315 10315,5355 ; 9087.88,2621.5 9087.88,2544.02 9095.39,2536.5 ; 9099.94,5363.44 9123.39,5340 9145,5340 9280,5475 9414.09,5475 9779.09,5110 10260,5110 10305,5155 10315,5155 ; v2(9110,5275) 9106.56,5278.44 9101.43,5278.44 9058.19,5321.69 9054.08,5321.69 9015.76,5360 8971.23,5360 ; 9113.87,5377.36 9135.17,5356.06 9141.06,5356.06 9272,5487 9419.06,5487 9751.06,5155 10215,5155 ; 9113.87,5502.64 8971.23,5360 ; 9119.19,4760.81 9069.19,4810.81 9060.81,4810.81 9124.29,4874.28 9223.04,4874.28 ; 9127.78,5391.28 9133.78,5385.28 9137.89,5385.28 9251.61,5499 9424.03,5499 9706.56,5216.47 10276.47,5216.47 10315,5255 ; 9127.78,5488.72 9128.72,5488.72 9128.72,5489.19 9184.53,5545 9185,5545 9220,5580 9506.8,5580 9831.8,5255 10215,5255 ; 9140.01,2056.5 9279.99,2056.5 9283.51,2052.99 ; 9148.39,2856.5 9303.38,2856.5 9306.89,2852.99 ; 9207.52,3361.5 9236.94,3361.5 9248.51,3349.93 9248.51,3186.5 9263.51,3171.5 9538.51,3171.5 9558.51,3191.5 9558.51,3290 9704.99,3290 9708.51,3293.51 9708.51,3316.5 ; 9207.52,3411.5 9259.99,3411.5 9263.51,3407.99 9263.51,3196.5 9276.51,3183.5 9441.49,3183.5 9445.01,3187.01 9445.01,3211.5 9450.01,3211.5 9468.51,3230 9468.51,3290 ; 9207.52,3511.5 9207.52,3582.48 ; 9224.43,4872.89 9223.04,4874.28 ; 9280,4215 9280,4284.63 9300.37,4305 9385,4305 9391.5,4311.5 9391.5,4350 ; 9282.52,1821.5 9334.99,1821.5 9338.51,1817.99 9338.51,1616.5 9348.51,1606.5 9648.51,1606.5 9668.51,1626.5 9668.51,1735 9777.01,1735 9783.51,1741.5 9783.51,1771.5 ; 9282.52,1871.5 9343.51,1871.5 9353.51,1861.5 9353.51,1622.01 9357.02,1618.5 9536.49,1618.5 9540.01,1622.01 9540.01,1651.5 9545.01,1651.5 9563.51,1670 9563.51,1735 ; 9282.52,1971.5 9283.51,1972.48 9283.51,2052.99 ; v2(9295,5315) 9335,5315 9365,5285 ; 9305.91,2621.5 9371.38,2621.5 9374.89,2617.99 9374.89,2445.04 9385.44,2434.5 9671.38,2434.5 9676.89,2440.01 9676.89,2550 9751.26,2550 9778.51,2577.25 9778.51,2581.5 ; 9305.91,2671.5 9383.38,2671.5 9386.89,2667.99 9386.89,2450.01 9390.41,2446.5 9583.38,2446.5 9586.89,2450.01 9586.89,2471.5 9591.89,2476.5 9591.89,2550 ; 9305.91,2771.5 9306.89,2772.48 9306.89,2852.99 ; 9318.5,4350 8995,4350 8492.03,4852.97 ; 9372.01,3211.5 9373.51,3213 9373.51,3290 ; 9463.51,1735 9463.51,1655 9467.01,1651.5 ; 9488.5,4350 9391.5,4350 ; 9506.89,2550 9513.89,2543 9513.89,2471.5 ; 9560.67,3661.51 9374.51,3661.51 9373.51,3662.51 9367.5,3656.5 9211.04,3656.5 9207.52,3652.99 9207.52,3582.48 ; 9628,2121.5 9648.63,2142.12 9648.63,2166.5 9643.63,2171.5 9472.02,2171.5 9468.51,2167.99 9468.51,2127.5 9463.51,2122.51 9287.02,2122.51 9283.51,2118.99 9283.51,2052.99 ; 9706.34,3661.51 9706.34,3401.66 9707.26,3400.75 9707.26,3434.49 9710.77,3438 9883.51,3438 9883.51,3434.5 9963.51,3434.5 10043.51,3434.5 10043.51,3574.49 10047.02,3578 10127.01,3578 10132.01,3583 10298.51,3583 10298.51,3683 10498.51,3683 10498.51,3583 ; 9723.78,2896.5 9697.78,2922.51 9506.9,2922.51 9310.41,2922.51 9306.89,2918.99 9306.89,2852.99 ; 9778.51,2654.5 9778.51,2658.75 9811.26,2691.5 10056.89,2691.5 10091.89,2691.5 10091.89,2783.75 10141.89,2833.75 10141.89,2838 ; 9783.51,1844.5 9783.51,1874.49 9787.02,1878 9868.51,1878 9958.51,1878 10048.51,1878 10048.51,1961.5 10112.27,2025.27 10120.76,2025.27 10124.4,2028.91 10124.4,2037.39 ; 9960,2896.5 10087.65,2896.5 10141.89,2842.25 10141.89,2838 ; 10038.39,2166.5 10118.51,2166.5 10133.51,2151.5 10133.51,2028 10135.01,2026.5 10303.51,2026.5 10303.51,2126.5 10503.51,2126.5 10503.51,2026.5 ; 10084.1,4215 10167,4215 ; 10085.59,4305 10168.5,4305 ; 10091.5,5745 10090,5743.5 10090,5700 ; 10123.37,3425.98 10123.51,3426.11 10123.51,3501.5 ; 10133.37,1867.98 10133.51,1868.12 10133.51,1955 ; 10141.75,2679.48 10141.89,2679.61 10141.89,2765 ; 10315,5755 10260,5700 10090,5700 ; 10501.89,2816.5 10501.89,2916.5 10313.51,2916.5 10313.51,2816.5 10295.95,2816.5 10274.45,2838 10141.89,2838 ; 7503.51,1880.71 7627.72,1880.71 7638.51,1891.5 7638.51,1971.49 7642.02,1975 7678.51,1975 ; 7503.51,2626.5 7667.01,2626.5 7673.51,2620 ; 8746.66,5135.43 8855.61,5244.39 ; 8855.61,5244.39 8971.23,5360
  Top Layer w8: 8485.81,5005.81 8485.81,5013.78 8612.77,5140.73 ; 8905.07,5168.57 8937.2,5136.44 8937.2,5057.56 8987.38,5007.38 9063.95,4930.81 9070.81,4930.81
  Top Layer w15: 7580,6911.5 7580.75,6910.75 7689.25,6910.75 7690,6910 7740,6960 8590,6960 8630,6920 8630,6910 8680,6960 9150,6960 9215,6895 9215,6660 9530,6660 9575,6705 9575,6910 ; v2(8680,4700) 8681.72,4701.72 8686.72,4701.72 8724.19,4739.19 8759.04,4704.34 9060.66,4704.34 9064.19,4700.81 9064.19,4702.5 9009.19,4757.5 9009.19,4759.19 9012.73,4762.73 9012.73,4862.12 9019.19,4868.58 9019.19,4879.19 ; 9561.5,4350 9566.5,4350 9592.31,4324.19 9592.31,4215.79
  Top Layer w20: 7253.32,2079.72 7296.72,2079.72 7298.51,2081.5 7298.51,2181.5 ; 7315,4555 7315,4225 7395,4145 7518.5,4145 7518.5,4075 7523.5,4075 7558.5,4040 7665,4040 7691.96,4066.96 7691.96,4135.94 7960.94,4135.94 8090,4265 8203.28,4265 8215,4253.28 8215,4215.36 8213.82,4214.17 ; 7580,6838.5 7918.5,6838.5 7990,6910 8060,6840 8860,6840 8930,6910 9083.28,6910 9115,6878.28 9115,6660 ; 7673.37,2847.97 7676.9,2851.5 ; 7938.51,2198 7942.01,2201.5 8171.79,2201.5 8183.51,2189.78 8183.51,2170 8188.51,2165 ; 7938.51,3518 7939.01,3517.5 8166.01,3517.5 8168.51,3515 ; 7988.51,2848 8076.63,2848 8081.13,2843.5 8197.01,2843.5 8198.51,2845 ; 8090,1440 8085,1445 8155,1515 8385,1515 ; 8360.47,4206.69 8360.47,4210.63 ; 8378.51,2032.5 8379.51,2031.5 8564.49,2031.5 8648.51,2031.5 v1(8653.83,2036.82) v1(8693.2,2036.82) 8702.88,2027.14 8702.88,1868.25 8705,1866.13 8705,1431.72 8693.28,1420 8630,1420 ; 8399.25,1485 8405,1490.75 8405,1491.5 ; 8405,1418.5 8406.76,1416.74 ; 8406.76,1346.62 8408.52,1344.86 ; 8480,1491.5 8482.5,1494 ; 8630,1488 8630,1493 ; v1@8648.51,2721.5 v1(8653.83,2726.82) ; v1(8653.83,2766.19) v1@8656.89,2769.25 ; 8676.83,3465.87 8686.51,3456.19 v1(8688.2,3456.19) ; 8677.01,2206.5 8682.01,2206.5 ; v1(8688.2,3416.82) 8697.88,3407.14 ; v1(8693.2,2726.82) 8702.88,2717.14 8700.01,2717.14 8700,2473.57 ; v1(8693.2,2766.19) 8702.88,2775.87 ; 8700,2230 8700,2473.57 ; 8702.01,3581.5 8702.01,3618.28 8713.72,3630 9048.29,3630 9060.01,3618.28 9060.01,3480.01 ; 8705.5,1724.5 8715.61,1714.39 8725,1705 9123.29,1705 9135.01,1716.72 9135.01,1751.5 ; 8707.01,2891.5 8717.01,2901.5 ; 8777.52,3411.5 8846.5,3411.5 v1(8890,3455) 8891.08,3455 8897.58,3461.5 8989.49,3461.5 ; 8782.52,2031.5 8858.5,2031.5 8869.97,2020.03 8968.5,1921.5 9064.49,1921.5 ; 8782.52,2721.5 9087.88,2721.5 ; 8940.81,5980.81 8999.23,6039.23 9004.23,6039.23 v2(9005,6040) ; 9065.01,3291.5 9068.01,3291.5 9073.01,3286.5 ; 9069.14,3465.86 v1(9078.82,3456.18) ; 9110,3270 9111.89,3268.11 9111.89,2826.5 9167.52,2770.87 9167.52,2725.86 v1(9177.2,2716.18) ; 9160,2473.57 8700,2473.57 ; 9163.83,2485.28 9163.83,2518.28 ; 9183.39,2536.5 9188.39,2536.5 9205.18,2536.5 9216.89,2548.22 9216.89,2676.49 v1(9216.57,2676.81) ; v1(9193.19,1916.18) 9198.51,1921.5 9282.52,1921.5 9462.51,1921.5 9463.51,1920.5 ; v1(9216.57,2716.18) 9221.89,2721.5 9305.91,2721.5 9505.89,2721.5 9506.9,2720.5 ; 9318.5,4350 9318.5,4407.42 9320,4408.92 v2(9320,4410) ; 9558.51,3363 9560.01,3361.5 9672.54,3361.5 9673.54,3362.5 9781.82,3362.5 9782.82,3361.5 9883.51,3361.5 ; 9592.31,4215.79 9592.7,4215.4 10022.52,4215.4 10022.91,4215 10023.66,4215.75 10023.66,4304.25 10024.41,4305 10024.41,4364.41 10215,4555 ; 9668.51,1808 9669.01,1807.5 9866.01,1807.5 9868.51,1805 ; 9686.89,2613 9682.64,2613 9676.89,2618.75 9676.89,2623 9681.39,2618.5 9800.88,2618.5 9802.38,2620 9881.89,2620 ; v2(9875,5745) 10018.5,5745 ; 10240,4215 10240.75,4215.75 10240.75,4304.25 10241.5,4305 ; v2(10240,4420) 10240,4418.92 10241.5,4417.42 10241.5,4305 ; 10315,4555 10315,4320 10300,4305 10241.5,4305
  Bottom Layer w6: 7215,5855 7225,5855 7275,5905 7517.56,5905 8047.56,5375 v2(8260,5375) ; 7315,5755 7780,5290 v2(8355,5290) ; 7315,5855 7830,5340 v2(8290,5340) ; 7790,6910 7790,5910 v2(8290,5410) ; 7890,6910 7890,6030 v2(8335,5585) ; v2(8410,5430) 8445,5430 v2(8760,5745) 8830,5815 8830,6375 9115,6660 ; 8415,6660 8600,6475 v2(8600,5625) ; v2(8480,5515) 8185,5810 8185,6800 8229.92,6844.92 8619.41,6844.92 8684.49,6910 8730,6910 ; v2(8515,5540) 8197,5858 8197,6677 8306.17,6786.17 8660.65,6786.17 8784.49,6910 8830,6910 ; 8615,6660 8615,5675 v2(8635,5655) ; 8655,4270 8655,4281.37 ; v2(8665,5685) 8665,6510 8815,6660 ; v2(8695,5720) 8810,5835 8810,6455 9015,6660 ; v2(8760,4920) 9110,4920 9413.53,4616.47 10230.96,4616.47 10269.49,4655 10315,4655 ; v2(8780,5135) 8782.5,5135 8892.5,5245 v2(8895,5245) ; v2(8790,4945) 9110,4945 9400,4655 10215,4655 ; v2(8820,4975) 9105,4975 9363.53,4716.47 10230.96,4716.47 10269.49,4755 10315,4755 ; v2(8850,5000) 9105,5000 9350,4755 10215,4755 ; v2(8875,5030) 9100,5030 9313.53,4816.47 10230.96,4816.47 10269.49,4855 10315,4855 ; v2(8899,5055) 9100,5055 9300,4855 10215,4855 ; 8955,4170 10345,4170 10390,4215 10390,6560 10040,6910 9875,6910 ; v2(8985,5335) 8985,5410 v2(9045,5470) ; v2(9110,5275) 9150,5315 v2(9295,5315) ; 9675,6910 9720.51,6910 9785.51,6845 10050,6845 10253.53,6641.47 10253.53,5339.04 10215,5300.51 10215,5255 ; 9775,6910 9825.53,6859.47 10063.56,6859.47 10353.53,6569.5 10353.53,5339.04 10315,5300.51 10315,5255
  Bottom Layer w20: v2(8060,4570) 8680,4570 ; 8085,1445 8195,1555 8865,1555 8890,1580 v1(8890,2005) v1(8890,2720) v1(8890,3455) ; v2(8375,4900) 8480,4900 8587.5,4792.5 ; 8655,4281.37 8680,4306.37 8680,4570 ; v2(8970,5145) 8969.23,5144.23 8939.23,5144.23 8587.5,4792.5 ; 9215,6660 9005,6450 v2(9005,6040) 9300,5745 9725,5745 ; v2(9295,5315) 9725,5745 ; v2(9320,4410) 9321.08,4410 9331.08,4420 v2(10240,4420) ; v2(9875,5745) 9725,5745 ; 10215,4555 10210,4560 8820,4560 v2(8680,4700) ; 8587.5,4792.5 v2(8680,4700) ; 8680,4570 v2(8680,4700)
  other v1: 9153.82,1876.81 9193.19,1876.81 9153.82,1916.18 8653.83,2076.19 8693.2,2076.19 9177.2,2676.81 8648.83,3416.82 9078.82,3416.81 9118.19,3416.81 8648.83,3456.19 9118.19,3456.18
  other v2: 7590,4340

## Keep-outs
Keep-Out Layer:
  lines w10: -1896.84,8931.32 -1895,8931.32 -1895,8920 ; 7125,4727.5 7125,6262.5 7125,7035 10435,7035 10435,3965 7125,3965 7125,4732.5 ; -1895,4954.54 -1895,4954.54 ; 0,700 0,4956.38 0,7425 6260,7425 6260,700 4856.38,700 1615.46,700 0,700 ; 7080,1080 10680,1080 10680,3865 7080,3865 7080,1080

## Other copper
Top Layer:
  region: 7973.51,3491.5 7973.51,3556.5 7235,3556.5 7235,3356.5 7628.51,3356.5 7628.51,3491.5
  region: 8428.51,3366.5 8428.51,3541.5 8133.51,3541.5 8133.51,3471.5 8348.51,3471.5 8348.51,3366.5
  region: 9408.51,3446.5 9408.51,3481.5 9143.51,3481.5 9143.51,3446.5
  region: 8428.51,3431.5 8623.51,3431.5 8623.51,3386.5 8428.51,3386.5
  region: 8623.51,3386.5 8718.51,3386.5 8718.51,3626.5 8623.51,3626.5
  region: 9143.51,3486.5 9043.51,3486.5 9043.51,3251.5 9138.51,3251.5 9143.51,3251.5
  region: 9333.51,3506.5 9333.51,3336.5 9593.51,3336.5 9593.51,3401.5 9413.51,3401.5 9413.51,3506.5
  region: 9843.51,3388 9843.51,3323 10558.51,3323 10558.51,3523 10173.51,3523 10173.51,3388
  region: 8023.51,2886.5 7233.51,2886.5 7233.51,2681.5 7618.51,2681.5 7618.51,2811.5 8023.51,2811.5
  region: 10555,2755 10555,2565 9860,2565 9860,2645 10200,2645 10200,2755
  region: 9833.51,1776.5 10558.51,1776.5 10558.51,1966.5 10558.51,1971.5 10183.51,1971.5 10183.51,1841.5 9833.51,1841.5
  region: 9471.89,2771.5 9471.89,2596.5 9716.89,2596.5 9716.89,2666.5 9541.89,2666.5 9541.89,2771.5
  region: 9218.51,1951.5 9123.51,1951.5 9123.51,1716.5 9218.51,1716.5
  region: 8393.51,2751.5 8718.51,2751.5 8718.51,2706.5 8393.51,2706.5
  region: 9250,2460 9250,2750 9150,2750 9150,2460
  region: 8713.51,2696.5 8713.51,2926.5 8628.51,2926.5 8628.51,2696.5
  region: 8173.51,2866.5 8393.51,2866.5 8393.51,2691.5 8338.51,2691.5 8338.51,2816.5 8173.51,2816.5
  region: 8713.51,2236.5 8633.51,2236.5 8633.51,2006.5 8713.51,2006.5 8713.51,2181.5
  region: 8418.51,1986.5 8418.51,2191.5 8153.51,2191.5 8153.51,2126.5 8338.51,2126.5 8338.51,1986.5
  region: 8655,1470 8655,1525 8375,1525 8375,1475 8380,1470
  region: 8445,1440 8660,1440 8660,1320 8445,1320
  region: 7710,1540 7710,1205 7200,1205 7200,1540
  region: 7963.51,2166.5 7963.51,2236.5 7243.51,2235 7243.51,2041.5 7633.51,2041.5 7633.51,2166.5
  region: 7243.51,2235 7200,2235 7200,1210 7245,1210
  region: 9423.51,1971.5 9423.51,1781.5 9428.51,1776.5 9708.51,1776.5 9708.51,1851.5 9508.51,1851.5 9508.51,1971.5
  region: 9400,5280 9300,5180 9190,5290 9235,5335 9295,5275 9350,5330
  region: 10045,4195 10045,4375 9535,4375 9535,4195
  region: 7875,4155 7735,4155 7735,4400 7875,4400
  region: 7630,4315 7630,4355 7565,4355 7565,4315
  region: 7460,4470 7460,4400 8075,4400 8075,4475
  region: 7565,4315 7565,4060 7625,4060 7625,4235 7720,4235 7720,4280 7630,4280 7630,4315
  region: 8340,4310 8310,4310 8310,4040 8340,4040
  region: 8610,4230 8610,4310 8340,4310 8340,4040 8450,4040 8450,4230
  region: 8075,4485 7455,4485 7455,4550 8075,4550
  region: 8075,4550 8075,4590 7455,4590 7455,4550
  region: 7545,4200 7545,4400 7485,4400 7485,4200
  region: 8310,4040 8090,4040 8090,4230 8190,4230 8190,4175 8310,4175
  region: 8610,4230 9000,4230 9000,4310 8610,4310
  region: 8610,4130 8610,4210 9000,4210 9000,4130
  region net 3V3: 4185,6670 4435,6670 4435,6595 4185,6595
  region net 5V: 5850,5410 5850,4955 5945,4955 5945,5410
  region net GND: 5840,4385 5840,4730 5945,4730 5945,4385
  region net GND: 4825,4325 4825,4590 4920,4590 4920,4325
  region net GND: 5515,4385 5945,4385 5945,4275 5835,4275 5835,4320 5515,4320
  region net 4V2: 5945,4250 5945,4165 5510,4165 5510,4250
  region net 4V2: 5520,4305 5520,4160 5460,4160 5460,4245 5180,4245 5180,4305
  region net GND: 5265,4385 5515,4385 5515,4320 5265,4320
  region net 3V3: 4050,4130 4415,4130 4415,3980 4315,3980 4315,4060 4050,4060
  region net 3V3: 4335,4315 4335,4375 4050,4375 4055,4370 4055,4315
  region net GND: 4050,4295 4435,4295 4435,4230 4050,4230
  region net GND: 4920,4325 4920,4010 4825,4010 4825,4325
  region net GND: 4950,4655 4950,4590 5090,4590 5090,4655
  region net GND: 4980,4770 4750,4770 4750,4825 4755,4825 4980,4825
  region net 4V2: 4865,4680 5095,4680 5095,4800 5030,4800 5030,4740 4870,4740
  region net 5V: 4840,4905 5090,4905 5090,4845 4840,4845
  region net GND: 5755,6760 5755,6690 5840,6690 5840,6585 5930,6585 5930,6760
  region net 12V: 5760,6445 5760,6370 5930,6370 5930,6565 5840,6565 5840,6445
  region net 5V: 5845,6015 5845,5910 5770,5910 5770,5840 5935,5840 5935,6015
  region net GND: 5765,6230 5765,6155 5845,6155 5845,6050 5935,6050 5935,6230
  region net GND: 4440,6495 4440,6455 4535,6455 4535,6195 4640,6195 4640,6495
  region net GND: 1320,5380 1320,5265 1325,5260 1400,5260 1400,5380
  region net 3V3: 1185,5465 1185,5395 1400,5395 1400,5465
  region net GND: 975,5465 975,5370 1155,5370 1155,5465
  region net 3V3: 3445,4420 3445,3985 3380,3985 3380,4420
Bottom Layer:
  region: 7645,4325 7645,4585 7555,4585 7555,4325

## Silkscreen, mask and mechanical layers (free items; w line width, h text height)
Bottom Overlay:
  text "-12V" at 10130,3660 h60
  text "-12V" at 10130,3560 h60
  text "GND" at 7820,3480 h60
  text "GND" at 10115,3460 h60
  text "GND" at 7815,3375 h60
  text "GND" at 10115,3350 h60
  text "12V" at 7820,3270 h60
  text "12V" at 7820,3165 h60
  text "-5V" at 10165,2895 h60
  text "GND" at 7815,2810 h60
  text "-5V" at 10165,2790 h60
  text "GND" at 7815,2705 h60
  text "GND" at 10160,2685 h60
  text "5V" at 7820,2600 h60
  text "GND" at 10160,2590 h60
  text "5V" at 7820,2505 h60
  text "GND" at 7830,2160 h60
  text "-3V" at 10150,2095 h60
  text "GND" at 7830,2055 h60
  text "-3V" at 10150,1995 h60
  text "3V" at 7840,1940 h60
  text "GND" at 10160,1895 h60
  text "3V" at 7835,1850 h60
  text "GND" at 10160,1795 h60

## Text inside footprints (layer, text, board x,y; h text height)
P1_1: Top Overlay "2" at 8555,4250 h50; Top Overlay "1" at 8575,4150 h50; Top Overlay "7" at 9015,4150 h50; Top Overlay "8" at 9015,4250 h50
P2_1: Top Overlay "39" at 7335,6535 h50 r90; Top Overlay "40" at 7235,6535 h50 r90; Top Overlay "2" at 7235,4455 h50 r90; Top Overlay "1" at 7335,4455 h50 r90
P3_1: Top Overlay "39" at 10335,6535 h50 r90; Top Overlay "40" at 10235,6535 h50 r90; Top Overlay "2" at 10235,4455 h50 r90; Top Overlay "1" at 10335,4455 h50 r90
P7: Top Overlay "39" at 335,6535 h50 r90; Top Overlay "40" at 235,6535 h50 r90; Top Overlay "2" at 235,4455 h50 r90; Top Overlay "1" at 335,4455 h50 r90
P8: Top Overlay "39" at 3335,6535 h50 r90; Top Overlay "40" at 3235,6535 h50 r90; Top Overlay "2" at 3235,4455 h50 r90; Top Overlay "1" at 3335,4455 h50 r90
USB1: Top Overlay "USB" at 8205,4084.17 h40